# Altium PCB PCB2.PcbDoc (part 1 of 2)
Units mm, origin at the board's own origin, x right, y up, seen from the top; angles counter-clockwise.
Board outline 100.05 x 80.64 mm, 4 copper layers (Top Layer, Layer 2, Layer 3, Bottom Layer), stack 0.568 mm thick; 125 components, 107 nets, 600 pads, 307 vias.
Unrouted connection lines stored in the file: 1.
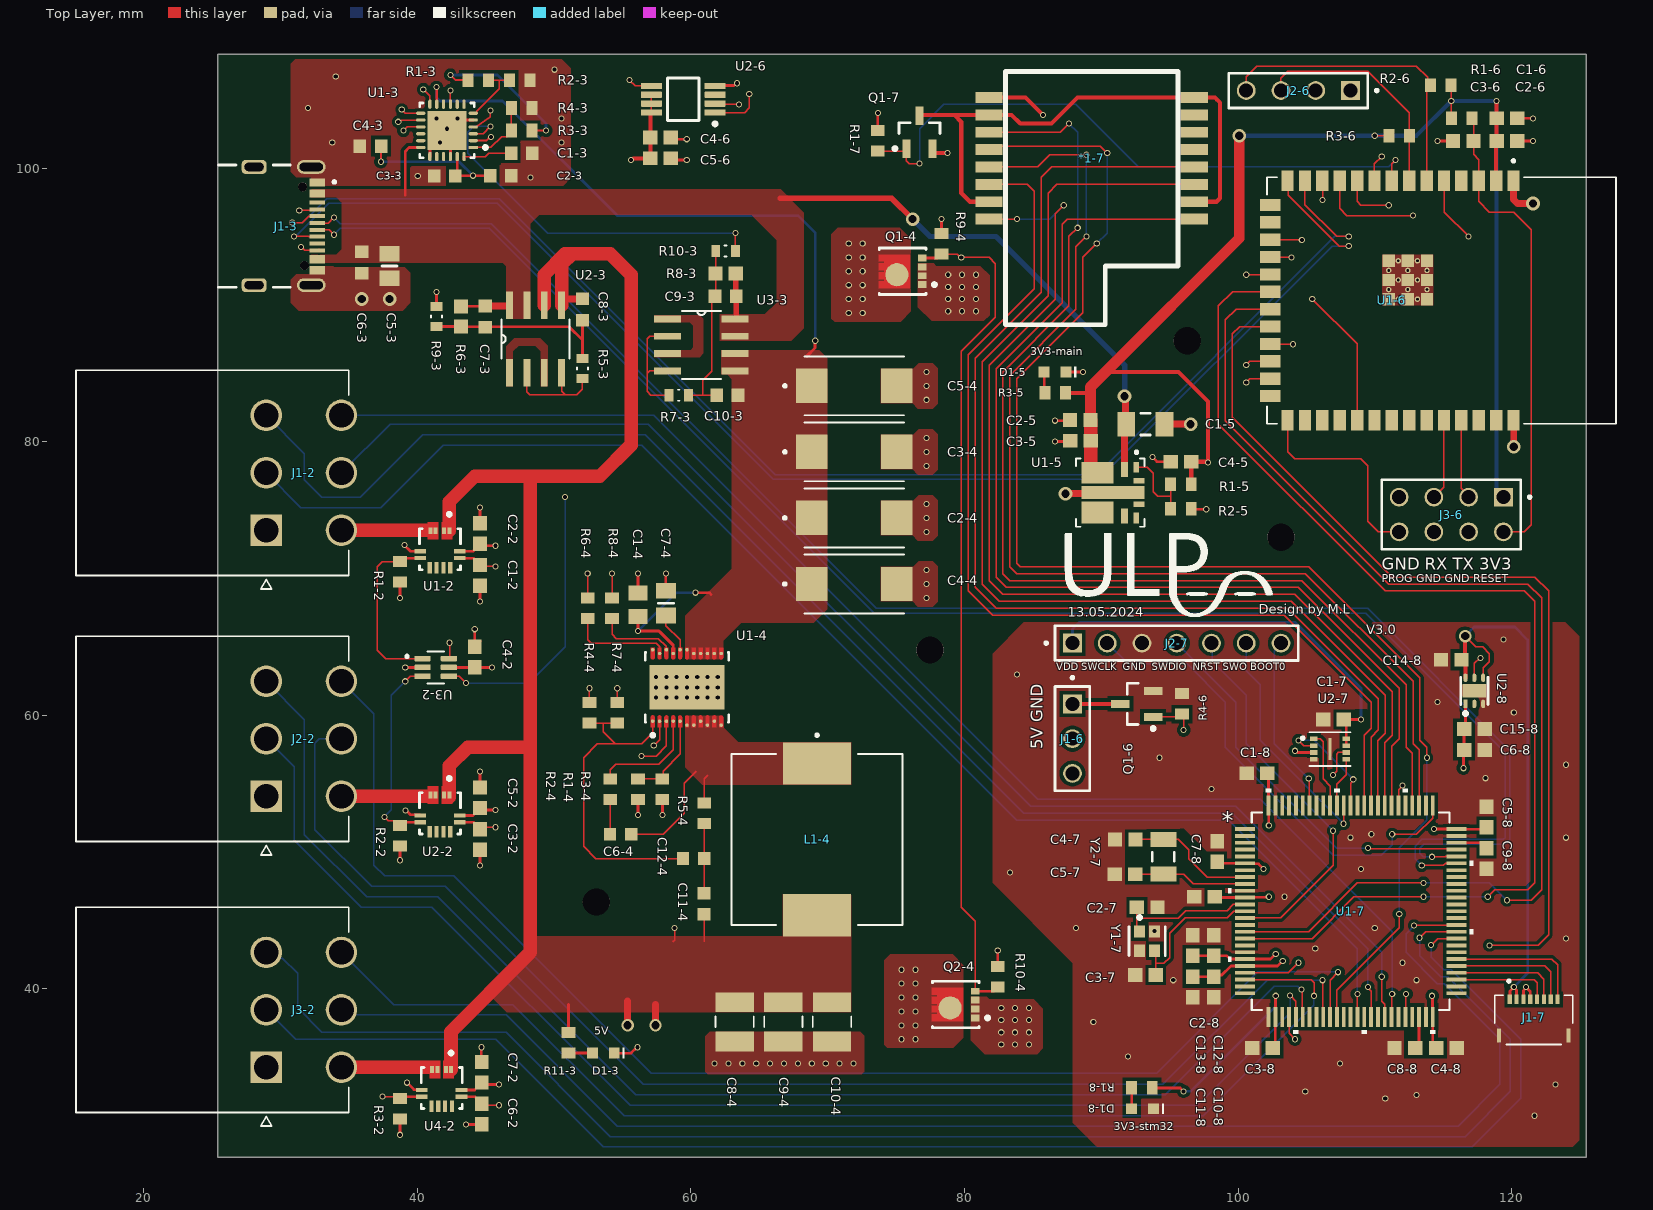
[diagram p0: Top Layer view]
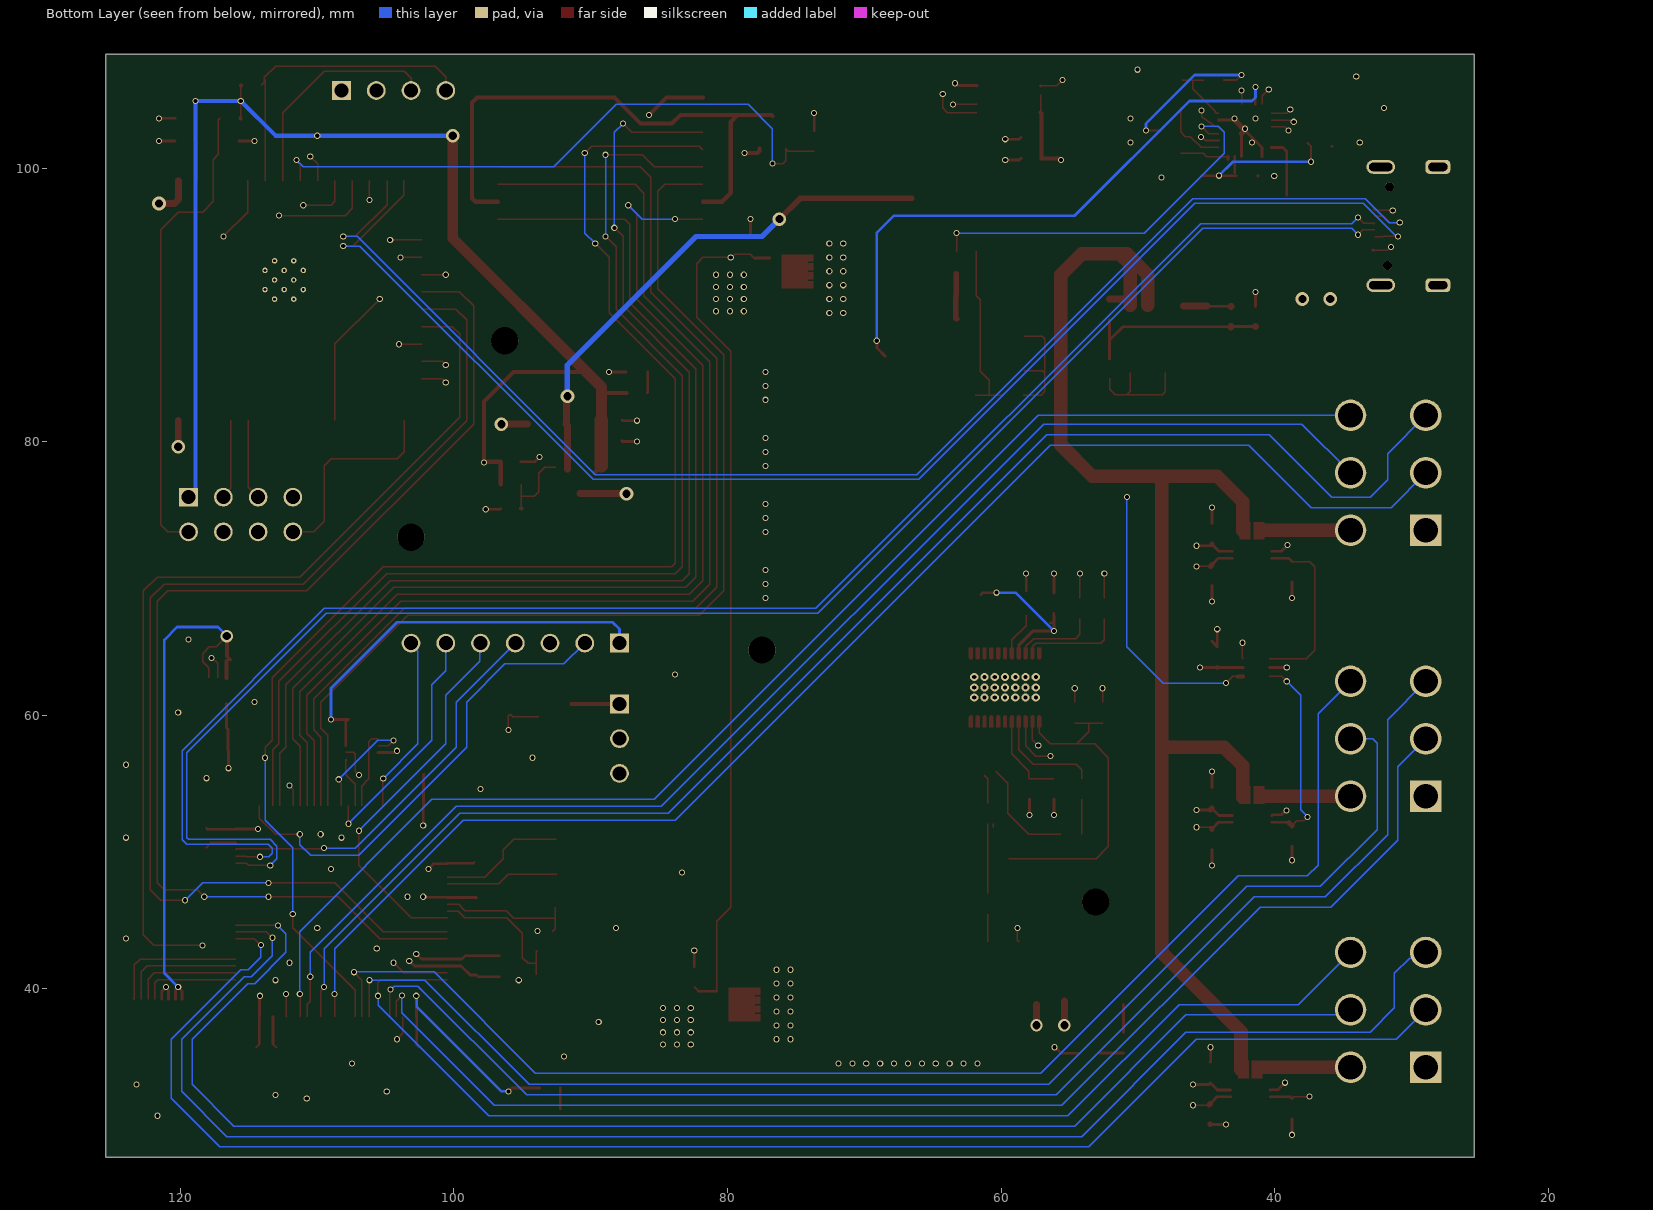
[diagram p1: Bottom Layer view, seen from below]
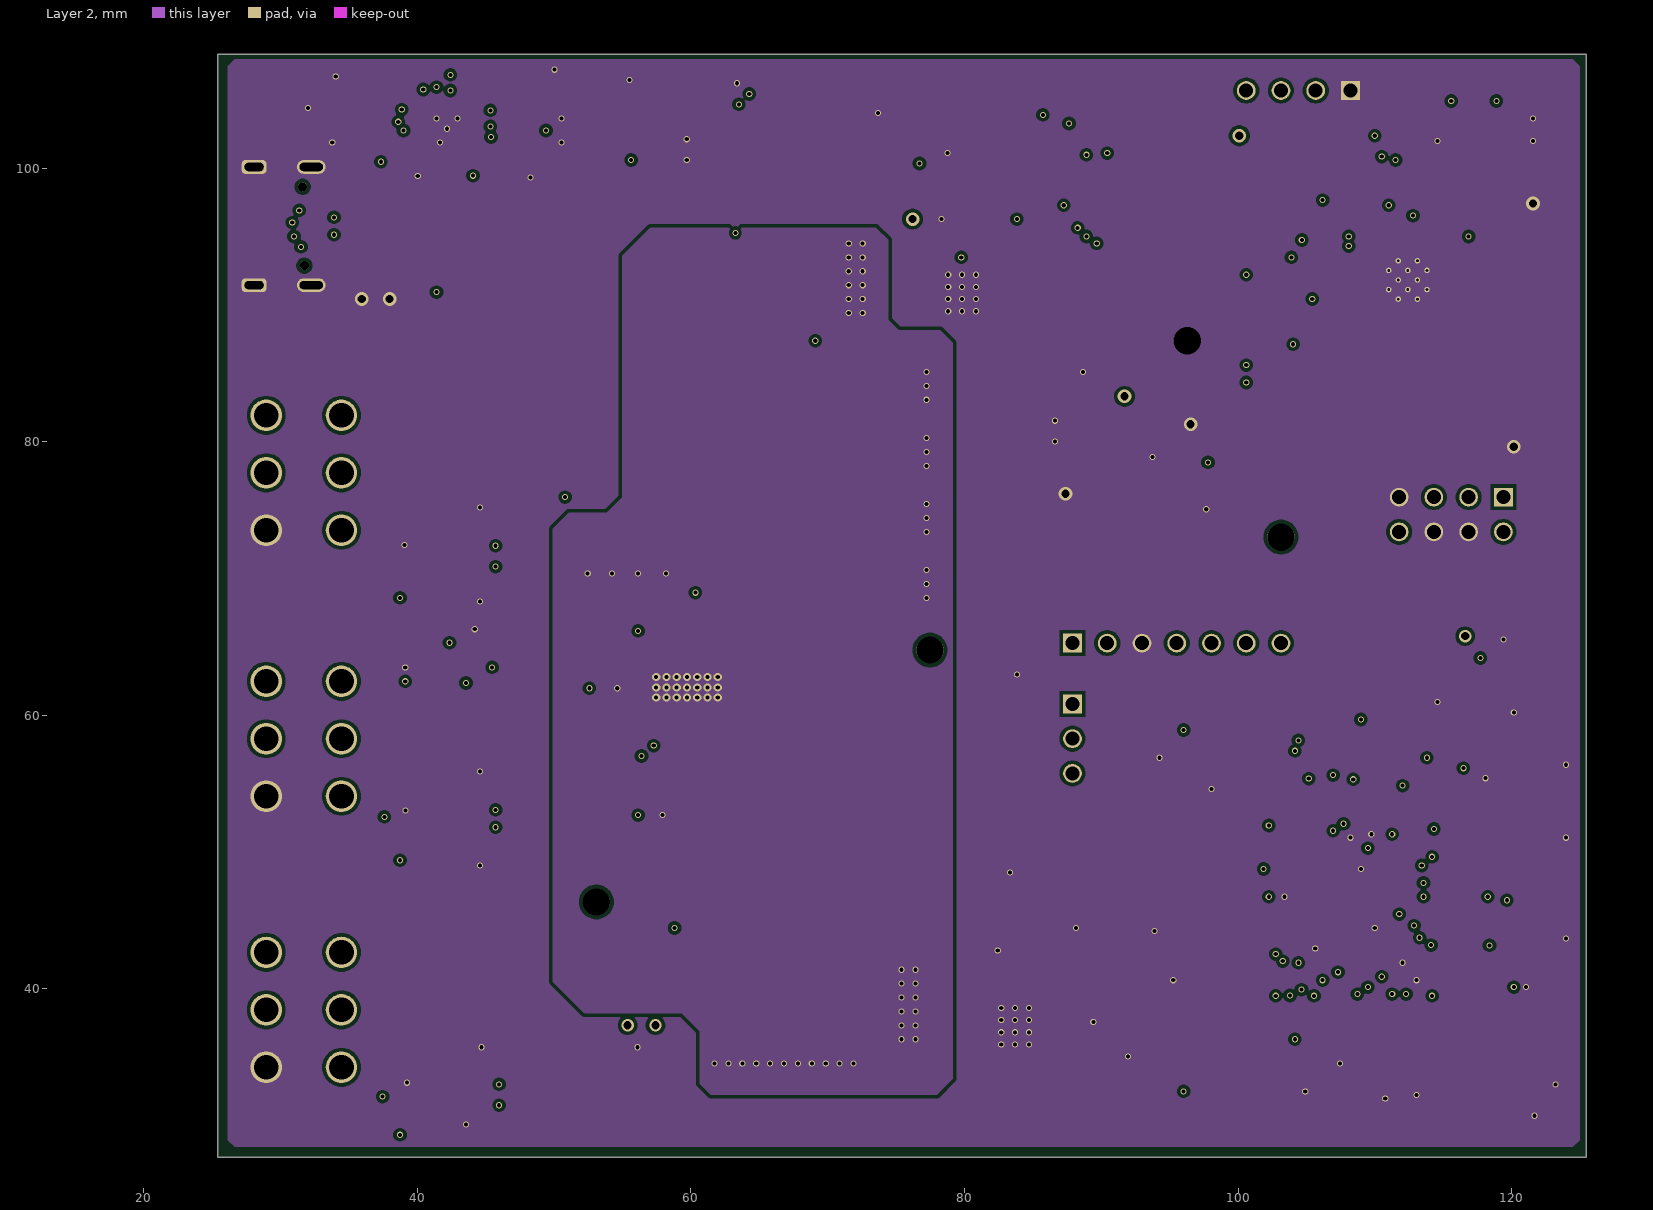
[diagram p2: Layer 2]
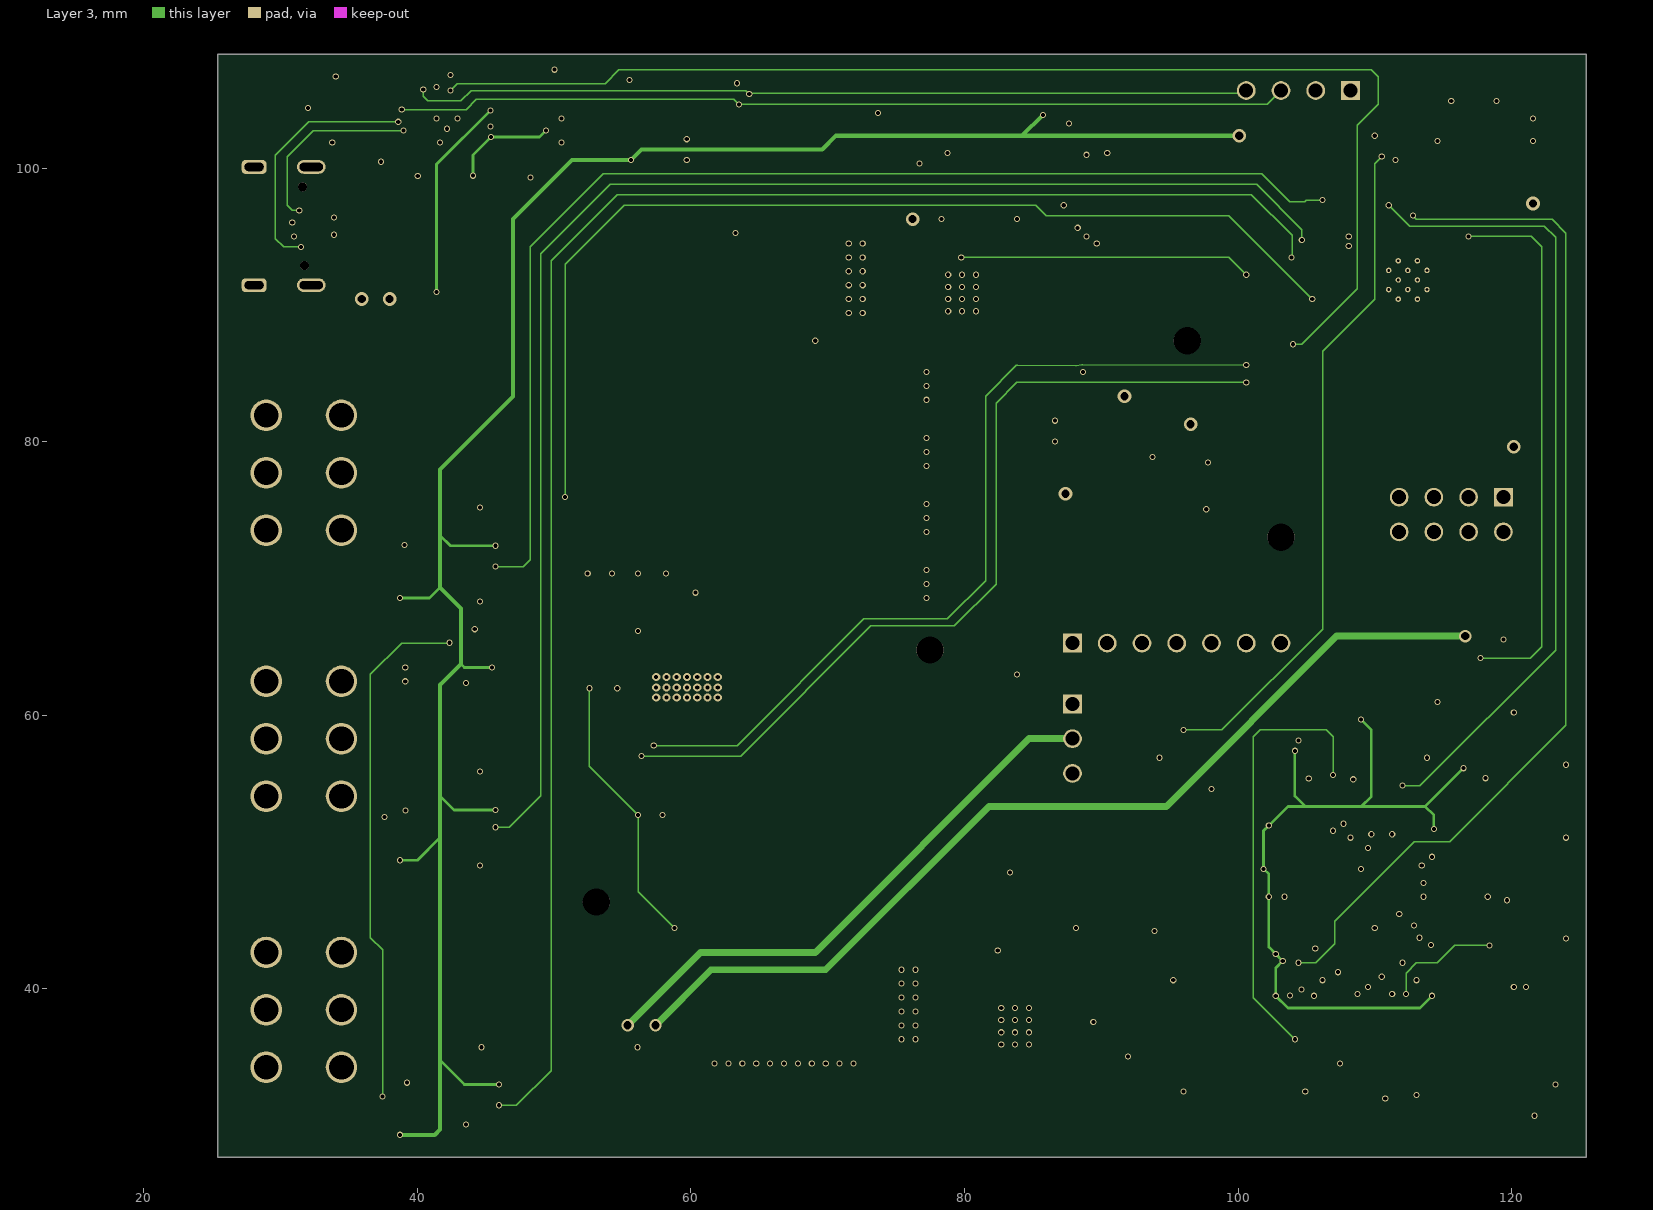
[diagram p3: Layer 3]
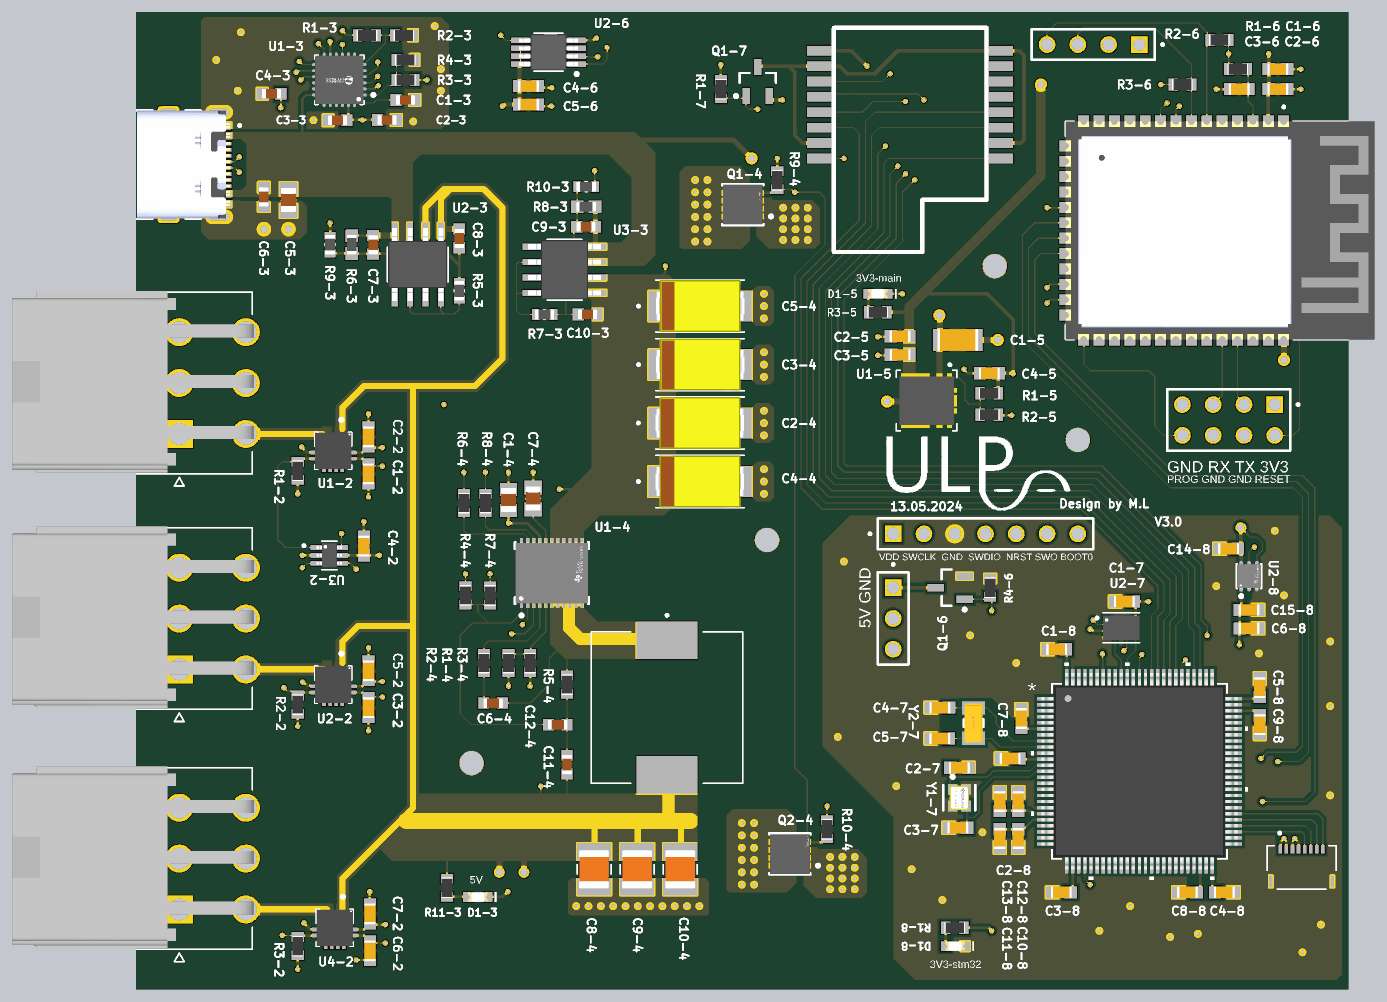
[diagram p5: 3D render of the assembled board from above, using the file's embedded part models]

## Layer stack, top to bottom
Top Solder: solder mask 0.0102, Solder Resist, Dk 3.5
Top Layer: signal copper 0.0356
Dielectric 2: prepreg 0.0711, PP-006, Dk 4.1
Layer 2: signal copper 0.0175
Dielectric 1: dielectric 0.32, FR-4, Dk 4.8
Layer 3: signal copper 0.0175
Dielectric 3: prepreg 0.0711, PP-006, Dk 4.1
Bottom Layer: signal copper 0.0356
Bottom Solder: solder mask 0.0102, Solder Resist, Dk 3.5

## Board outline
25.4,27.686 125.451,27.686 125.451,108.331 25.4,108.331

## Design rules (kind name [scope] priority, off if disabled: settings)
Clearance Clearance_1 [(ExistsOnLayer('Layer 2') Or ExistsOnLayer('Layer 3')) vs (ExistsOnLayer('Layer 2') Or ExistsOnLayer('Layer 3'))] p1: gap=0.254 ignorepadtopadclearanceinfootprint=FALSE except(0.09: Arc-Arc Arc-Track Arc-Text Track-Track Track-Text Text-Text; 0.127: SMDPad-SMDPad; 0.2: Arc-SMDPad Track-SMDPad SMDPad-Text) sourcerule=37 cellrowname=All cellrowtype=0 cellcolname=All cellcoltype=0 innerlayers=TRUE
Clearance Clearance_2 [(ExistsOnLayer('Top Layer') Or ExistsOnLayer('Bottom Layer')) vs (ExistsOnLayer('Top Layer') Or ExistsOnLayer('Bottom Layer'))] p2: gap=0.254 ignorepadtopadclearanceinfootprint=FALSE except(0.09: Arc-Arc Arc-Track Arc-Text Track-Track Track-Text Text-Text; 0.127: SMDPad-SMDPad; 0.2: Arc-SMDPad Track-SMDPad SMDPad-Text) sourcerule=37 cellrowname=All cellrowtype=0 cellcolname=All cellcoltype=0 outerlayers=TRUE
Clearance [All] p3: gap=0.254 ignorepadtopadclearanceinfootprint=FALSE ismatrix=TRUE
PlaneClearance [All] p1: clearance=0.5
PlaneConnect [All] p1: planeconnectstyle=Direct reliefexpansion=0.508 reliefentries=4 reliefconductorwidth=0.254 reliefairgap=0.254
PolygonConnect [All] p1: connectstyle=Direct reliefconductorwidth=0.254 reliefentries=4 polygonreliefangle="90 Angle" airgapwidth=0.254
RoutingVias RoutingViaStyle_1 [All] p1: holewidth=0.3 width=0.45 viastyle="Through Hole" minholewidth=0.3 minwidth=0.45 maxholewidth=2 maxwidth=2
SolderMaskExpansion [All] p1: expansion=0.102 istentingtop=FALSE
Width MaxMinWidth_1 [All] p1: maxlimit=2 minlimit=0.09 preferedwidth=0.254 minimp=50.000000 maximp=50.000000 favimp=50.000000
Width [All] p2: maxlimit=0.254 minlimit=0.254 preferedwidth=0.254
28 further rules are at their usual default settings.

## Classes and differential pairs
component class U_BuckRegulator-5V: C1-4 C2-4 C3-4 C4-4 C5-4 C6-4 C7-4 C8-4 C9-4 C10-4 C11-4 C12-4 L1-4 Q1-4 Q2-4 R1-4 R2-4 R3-4 R4-4 R5-4 R6-4 R7-4 R8-4 R9-4 R10-4 U1-4
component class U_stm32: *1-7 C1-7 C2-7 C3-7 C4-7 C5-7 J1-7 J2-7 Q1-7 R1-7 U1-7 U2-7 Y1-7 Y2-7
component class U_stm32-power: C1-8 C2-8 C3-8 C4-8 C5-8 C6-8 C7-8 C8-8 C9-8 C10-8 C11-8 C12-8 C13-8 C14-8 C15-8 D1-8 R1-8 U2-8
component class U_ESP32: C1-6 C2-6 C3-6 C4-6 C5-6 J1-6 J2-6 J3-6 Q1-6 R1-6 R2-6 R3-6 R4-6 U1-6 U2-6
component class U_BuckRegulator-3V: C1-5 C2-5 C3-5 C4-5 D1-5 R1-5 R2-5 R3-5 U1-5
component class U_USB-PD: C1-3 C2-3 C3-3 C4-3 C5-3 C6-3 C7-3 C8-3 C9-3 C10-3 D1-3 R1-3 R2-3 R3-3 R4-3 R5-3 R6-3 R7-3 R8-3 R9-3 R10-3 R11-3 U1-3 U2-3 U3-3
component class U_LED_output: C1-2 C2-2 C3-2 C4-2 C5-2 C6-2 C7-2 J1-2 J2-2 J3-2 R1-2 R2-2 R3-2 U1-2 U2-2 U3-2 U4-2

## Components (designator, comment, footprint, x,y, rotation, side; value= is the part's Value field where it differs from the comment)
*1-7 "E28-2G4M27SX" PCBComponent_1 96.788,105.156 r270 top
C1-2 "Capacitor 1 uF +/- 10% 16 V 0603" CAPC1608X94X35NL15T15 44.577,70.231 r270 top value=1nF
C1-3 "CL10A105KB8NNNC" CAPC1608X94N 47.625,101.092 r0 top
C1-4 "CL21A475KLCLQNC" CAPC2012X135N 56.134,68.072 r270 top
C1-5 "CL31A106KBHNNNE" CAPC3216X180X50NL20T25 93.218,81.28 r180 top value=10µF
C1-6 "Capacitor 1 uF +/- 10% 16 V 0603" CAPC1608X94X35NL15T15 119.634,103.632 r180 top value=100nF
C1-7 "Capacitor 1 uF +/- 10% 16 V 0603" CAPC1608X94X35NL15T15 106.97,59.69 r0 top value=0.1uF
C1-8 "Capacitor 1 uF +/- 10% 16 V 0603" CAPC1608X94X35NL15T15 101.382,55.753 r0 top value=100nF
C2-2 "Capacitor 1 uF +/- 10% 16 V 0603" CAPC1608X94X35NL15T15 44.577,73.279 r270 top value=0.1uF
C2-3 "CL10B104KO8NNNC" CAPC1608X94N 46.101,99.441 r0 top
C2-4 "TCJD226M035R0070" CAPPM7343X310N 71.933,74.422 r0 top
C2-5 "CL10A476MQ8QRNC" CAPC1608X94X35NL15T15 88.45,81.583 r0 top value=47uF
C2-6 "Capacitor 1 uF +/- 10% 16 V 0603" CAPC1608X94X35NL15T15 119.634,101.981 r180 top value=10uF
C2-7 "Capacitor 1 uF +/- 10% 16 V 0603" CAPC1608X94X35NL15T15 93.345,45.974 r180 top value=6pF
C2-8 "Capacitor 1 uF +/- 10% 16 V 0603" CAPC1608X94X35NL15T15 97.536,46.736 r0 top value=100nF
C3-2 "Capacitor 1 uF +/- 10% 16 V 0603" CAPC1608X94X35NL15T15 44.577,50.927 r270 top value=1nF
C3-3 "CL10B104KO8NNNC" CAPC1608X94N 42.012,99.416 r180 top
C3-4 "TCJD226M035R0070" CAPPM7343X310N 71.944,79.248 r0 top
C3-5 "CL10A476MQ8QRNC" CAPC1608X94X35NL15T15 88.462,80.059 r0 top value=47uF
C3-6 "Capacitor 1 uF +/- 10% 16 V 0603" CAPC1608X94X35NL15T15 116.447,101.981 r0 top value=1uF
C3-7 "Capacitor 1 uF +/- 10% 16 V 0603" CAPC1608X94X35NL15T15 93.218,41.021 r0 top value=6pF
C3-8 "Capacitor 1 uF +/- 10% 16 V 0603" CAPC1608X94X35NL15T15 101.763,35.687 r0 top value=100nF
C4-2 "Capacitor 1 uF +/- 10% 16 V 0603" CAPC1608X94X35NL15T15 44.196,64.262 r90 top value=0.1uF
C4-3 "CL10A105KB8NNNC" CAPC1608X94N 36.576,101.6 r180 top
C4-4 "TCJD226M035R0070" CAPPM7343X310N 71.933,69.596 r0 top
C4-5 "CL10A476MQ8QRNC" CAPC1608X94X35NL15T15 95.828,78.535 r0 top value=100pF
C4-6 "Capacitor 1 uF +/- 10% 16 V 0603" CAPC1608X94X35NL15T15 57.785,102.235 r180 top value=100nF
C4-7 "Capacitor 1 uF +/- 10% 16 V 0603" CAPC1608X94X35NL15T15 91.742,50.927 r0 top value=15pF
C4-8 "Capacitor 1 uF +/- 10% 16 V 0603" CAPC1608X94X35NL15T15 115.225,35.687 r180 top value=100nF
C5-2 "Capacitor 1 uF +/- 10% 16 V 0603" CAPC1608X94X35NL15T15 44.577,53.975 r270 top value=0.1uF
C5-3 "CL21A475KBQNNNE" CAPC2012X140N 37.973,92.837 r90 top
C5-4 "TCJD226M035R0070" CAPPM7343X310N 71.944,84.074 r0 top
C5-6 "Capacitor 1 uF +/- 10% 16 V 0603" CAPC1608X94X35NL15T15 57.785,100.711 r180 top value=10uF
C5-7 "Capacitor 1 uF +/- 10% 16 V 0603" CAPC1608X94X35NL15T15 91.73,48.387 r0 top value=15pF
C5-8 "Capacitor 1 uF +/- 10% 16 V 0603" CAPC1608X94X35NL15T15 118.146,52.578 r270 top value=100nF
C6-2 "Capacitor 1 uF +/- 10% 16 V 0603" CAPC1608X94X35NL15T15 44.704,30.861 r270 top value=1nF
C6-3 "CL10B104KO8NNNC" CAPC1608X94N 35.941,93.091 r270 top
C6-4 "CL10B104KB8NNNC" CAPC1608X90N 54.864,51.308 r180 top
C6-8 "Capacitor 1 uF +/- 10% 16 V 0603" CAPC1608X94X35NL15T15 117.257,57.47 r180 top value=4.7uF
C7-2 "Capacitor 1 uF +/- 10% 16 V 0603" CAPC1608X94X35NL15T15 44.704,33.909 r270 top value=0.1uF
C7-3 "CL10A105KB8NNNC" CAPC1608X94N 44.958,89.141 r90 top
C7-4 "CL21B105KBFNNNE" CAPC2012X140N 58.166,68.199 r270 top
C7-8 "Capacitor 1 uF +/- 10% 16 V 0603" CAPC1608X94X35NL15T15 98.461,50.038 r270 top value=1uF
C8-3 "CL10A105KB8NNNC" CAPC1608X94N 52.07,89.662 r90 top
C8-4 "CL32A107MPVNNNE" ANTC3225X280N 63.195,37.592 r270 top
C8-8 "Capacitor 1 uF +/- 10% 16 V 0603" CAPC1608X94X35NL15T15 112.177,35.687 r0 top value=2.2uF
C9-3 "CL10A105KB8NNNC" CAPC1608X94N 62.535,90.627 r0 top
C9-4 "CL32A107MPVNNNE" ANTC3225X280N 66.751,37.592 r270 top
C9-8 "Capacitor 1 uF +/- 10% 16 V 0603" CAPC1608X94X35NL15T15 118.146,49.53 r90 top value=2.2uF
C10-3 "CL10A105KB8NNNC" CAPC1608X94N 62.662,83.388 r0 top
C10-4 "CL32A107MPVNNNE" ANTC3225X280N 70.307,37.592 r270 top
C10-8 "Capacitor 1 uF +/- 10% 16 V 0603" CAPC1608X94X35NL15T15 98.207,40.132 r90 top value=100nF
C11-4 "CL10B104KB8NNNC" CAPC1608X90N 60.96,46.228 r90 top
C11-8 "Capacitor 1 uF +/- 10% 16 V 0603" CAPC1608X94X35NL15T15 96.683,40.132 r90 top value=1uF
C12-4 "CL10C102JB8NNNC" CAPC1608X90N 60.198,49.53 r180 top
C12-8 "Capacitor 1 uF +/- 10% 16 V 0603" CAPC1608X94X35NL15T15 98.207,43.18 r270 top value=100nF
C13-8 "Capacitor 1 uF +/- 10% 16 V 0603" CAPC1608X94X35NL15T15 96.683,43.18 r270 top value=1uF
C14-8 "Capacitor 1 uF +/- 10% 16 V 0603" CAPC1608X94X35NL15T15 115.57,64.059 r0 top value=2.2uF
C15-8 "Capacitor 1 uF +/- 10% 16 V 0603" CAPC1608X94X35NL15T15 117.257,58.994 r180 top value=2.2uF
D1-3 "150060VS75000" WL-SMCW_0603_150060xx75000 53.594,35.306 r180 top
D1-5 "150060VS75000" WL-SMCW_0603_150060xx75000 86.614,85.09 r180 top
D1-8 "150060VS75000" WL-SMCW_0603_150060xx75000 93.015,31.242 r180 top
J1-2 "*" MOLEX_874270602 28.956,73.524 r270 top
J1-3 "USB4105-GF-A" GCT_USB4105-GF-A 27.935,95.732 r270 top
J1-6 "TSW-103-07-G-S" SAMTEC_TSW-103-07-G-S 87.884,58.293 r270 top
J1-7 "5034800800" MOLEX_5034800800 121.594,39.243 r0 top
J2-2 "*" MOLEX_874270602 28.956,54.084 r270 top
J2-6 "TSW-104-07-G-S" SAMTEC_TSW-104-07-G-S 104.394,105.664 r180 top
J2-7 "TSW-107-07-G-S" SAMTEC_TSW-107-07-G-S 95.504,65.278 r0 top
J3-2 "*" MOLEX_874270602 28.956,34.272 r270 top
J3-6 "TSW-104-07-G-D" SAMTEC_TSW-104-07-G-D 115.57,74.676 r180 top
L1-4 "SRP1265A-2R2M" IND_SRP1265A-330M 69.215,50.927 r270 top
Q1-4 "CSD17575Q3T" FP-DQG0008A-MFG 75.472,92.452 r90 top
Q1-6 "BSS806N" INF-PG-SOT23_M 92.583,60.833 r180 top
Q1-7 "BSS806N" INF-PG-SOT23_M 76.708,102.616 r90 top
Q2-4 "CSD17575Q3T" FP-DQG0008A-MFG 79.358,38.858 r90 top
R1-2 "Resistor 100k +/-1% 0603 100 mW" RESC1608X55X25ML10T15 38.735,70.485 r90 top value=10k
R1-3 "Resistor 4k7 +/-1% 0603 100 mW" RESC1608X55X25ML10T15 44.45,106.426 r180 top value=5.1k
R1-4 "Resistor 4k7 +/-1% 0603 100 mW" RESC1608X55X25ML10T15 56.134,54.61 r90 top value=80k
R1-5 "Resistor 4k7 +/-1% 0603 100 mW" RESC1608X55X25ML10T15 95.816,76.884 r0 top value=10k
R1-6 "Resistor 4k7 +/-1% 0603 100 mW" RESC1608X55X25ML10T15 116.332,103.632 r180 top value=10k
R1-7 "Resistor 4k7 +/-1% 0603 100 mW" RESC1608X55X25ML10T15 73.66,101.981 r270 top value=10k
R1-8 "Resistor 4k7 +/-1% 0603 100 mW" RESC1608X55X25ML10T15 92.964,32.766 r180 top value=65
R2-2 "Resistor 100k +/-1% 0603 100 mW" RESC1608X55X25ML10T15 38.735,51.181 r90 top value=10k
R2-3 "Resistor 4k7 +/-1% 0603 100 mW" RESC1608X55X25ML10T15 47.498,106.426 r180 top value=2.4k
R2-4 "Resistor 4k7 +/-1% 0603 100 mW" RESC1608X55X25ML10T15 54.102,54.61 r90 top value=0
R2-5 "Resistor 4k7 +/-1% 0603 100 mW" RESC1608X55X25ML10T15 95.816,75.106 r180 top value=2.21k
R2-6 "Resistor 4k7 +/-1% 0603 100 mW" RESC1608X55X25ML10T15 114.808,106.045 r0 top value=2.2k
R3-2 "Resistor 100k +/-1% 0603 100 mW" RESC1608X55X25ML10T15 38.735,31.242 r90 top value=10k
R3-3 "Resistor 4k7 +/-1% 0603 100 mW" RESC1608X55X25ML10T15 47.625,102.743 r0 top value=5.1k
R3-4 "Resistor 4k7 +/-1% 0603 100 mW" RESC1608X55X25ML10T15 57.912,54.61 r270 top value=11k
R3-5 "Resistor 4k7 +/-1% 0603 100 mW" RESC1608X55X25ML10T15 86.614,83.566 r180 top value=65
R3-6 "Resistor 4k7 +/-1% 0603 100 mW" RESC1608X55X25ML10T15 111.76,102.362 r180 top value=2.2k
R4-3 "Resistor 4k7 +/-1% 0603 100 mW" RESC1608X55X25ML10T15 47.625,104.394 r180 top value=2.4k
R4-4 "Resistor 4k7 +/-1% 0603 100 mW" RESC1608X55X25ML10T15 52.578,60.198 r90 top value=80k
R4-6 "Resistor 4k7 +/-1% 0603 100 mW" RESC1608X55X25ML10T15 95.885,60.833 r270 top value=10k
R5-3 "ERJ-3GEY0R00V" RES_ERJ-3GEY0R00V 52.07,85.344 r270 top
R5-4 "Resistor 4k7 +/-1% 0603 100 mW" RESC1608X55X25ML10T15 60.96,52.832 r90 top value=3.01k
R6-3 "RC0603FR-0710KL" RESC1607X60N 43.18,89.154 r90 top
R6-4 "Resistor 4k7 +/-1% 0603 100 mW" RESC1608X55X25ML10T15 52.451,67.818 r90 top value=150k
R7-3 "ERJ-3GEY0R00V" RES_ERJ-3GEY0R00V 59.106,83.388 r180 top
R7-4 "Resistor 4k7 +/-1% 0603 100 mW" RESC1608X55X25ML10T15 54.61,60.186 r270 top value=11k
R8-3 "RC0603FR-0710KL" RESC1607X60N 62.535,92.278 r0 top
R8-4 "Resistor 4k7 +/-1% 0603 100 mW" RESC1608X55X25ML10T15 54.229,67.818 r90 top value=475
R9-3 "ERJ-3EKF1001V" RES_ERJ3EKF1001V 41.402,89.154 r270 top
R9-4 "Resistor 4k7 +/-1% 0603 100 mW" RESC1608X55X25ML10T15 78.318,94.459 r270 top value=10k
R10-3 "ERJ-3EKF1001V" RES_ERJ3EKF1001V 62.535,93.929 r180 top
R10-4 "Resistor 4k7 +/-1% 0603 100 mW" RESC1608X55X25ML10T15 82.423,40.894 r270 top value=10k
R11-3 "Resistor 4k7 +/-1% 0603 100 mW" RESC1608X55X25ML10T15 51.054,36.068 r270 top value=150
U1-2 "ACS711KEXLT-15AB-T" ALEG-EX-12_V 41.656,72.136 r270 top
U1-3 "CYPD3177-24LQXQ" FP-002-16934-IPC_C 42.168,102.754 r180 top
U1-4 "TPS53319DQPR" FP-DQP0022A-MFG 59.706,62.041 r90 top
U1-5 "TPSM84209RKHT" VREG_TPSM84209RKHT 90.644,76.278 r270 top
U1-6 "ESP32-S3-WROOM-1-N16R2" XCVR_ESP32-S3-WROOM-1-N16R2 114.858,90.318 r270 top
U1-7 "STM32H723VGT6" LQFP100_STM 108.215,45.68 r0 top
U2-2 "ACS711KEXLT-15AB-T" ALEG-EX-12_V 41.656,52.832 r270 top
U2-3 "IRF9358TRPBF" SOIC127P600X175-8N 48.641,87.503 r90 top
U2-6 "LM75AIMMX/NOPB" DGK0008A_M 59.436,105.029 r180 top
U2-7 "AT25DF041B-MAHN-T" PSON50P200X300X60-9N 106.716,57.531 r0 top
U2-8 "TPS74633PCQWDRVRQ1" FP-DRV0006C-IPC_C 117.257,61.788 r90 top
U3-2 "SN74LVC1G11DCKR" SOT65P210X110-6N 41.346,63.5 r0 top
U3-3 "IRF9358TRPBF" SOIC127P600X175-8N 60.757,87.071 r0 top
U4-2 "ACS711KEXLT-15AB-T" ALEG-EX-12_V 41.783,32.766 r270 top
Y1-7 "CX2016DB40000D0FLJCC" FP-CX2016DB-MFG 93.339,43.496 r270 top
Y2-7 "ABS07-32.768KHZ-7-T" FP-ABS07-MFG 94.524,49.657 r270 top